# Altium PCB RS232_V2.PcbDoc (part 1 of 2)
Units mil, origin at the board's own origin, x right, y up, seen from the top; angles counter-clockwise.
Board outline 2125.02 x 1520 mil, 2 copper layers (Top Layer, Bottom Layer); 64 components, 62 nets, 232 pads, 68 vias.
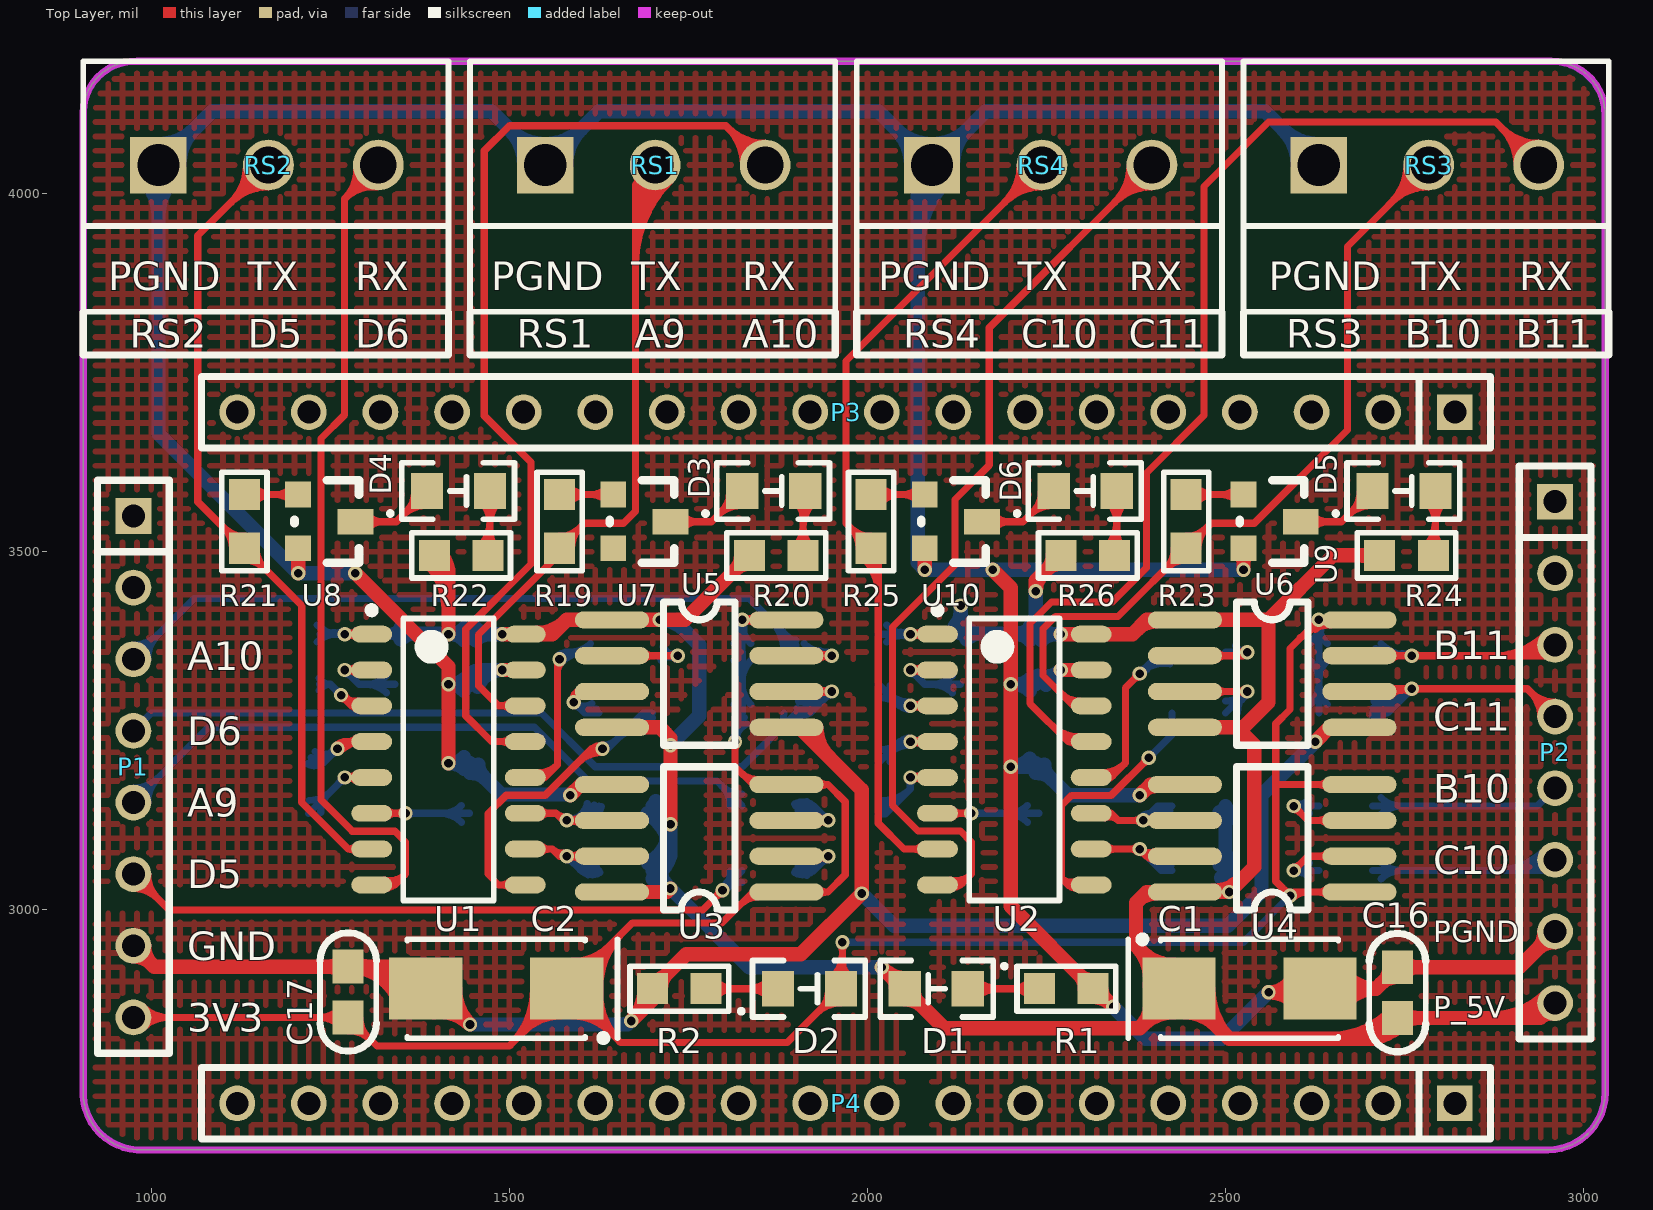
[diagram p0: Top Layer view]
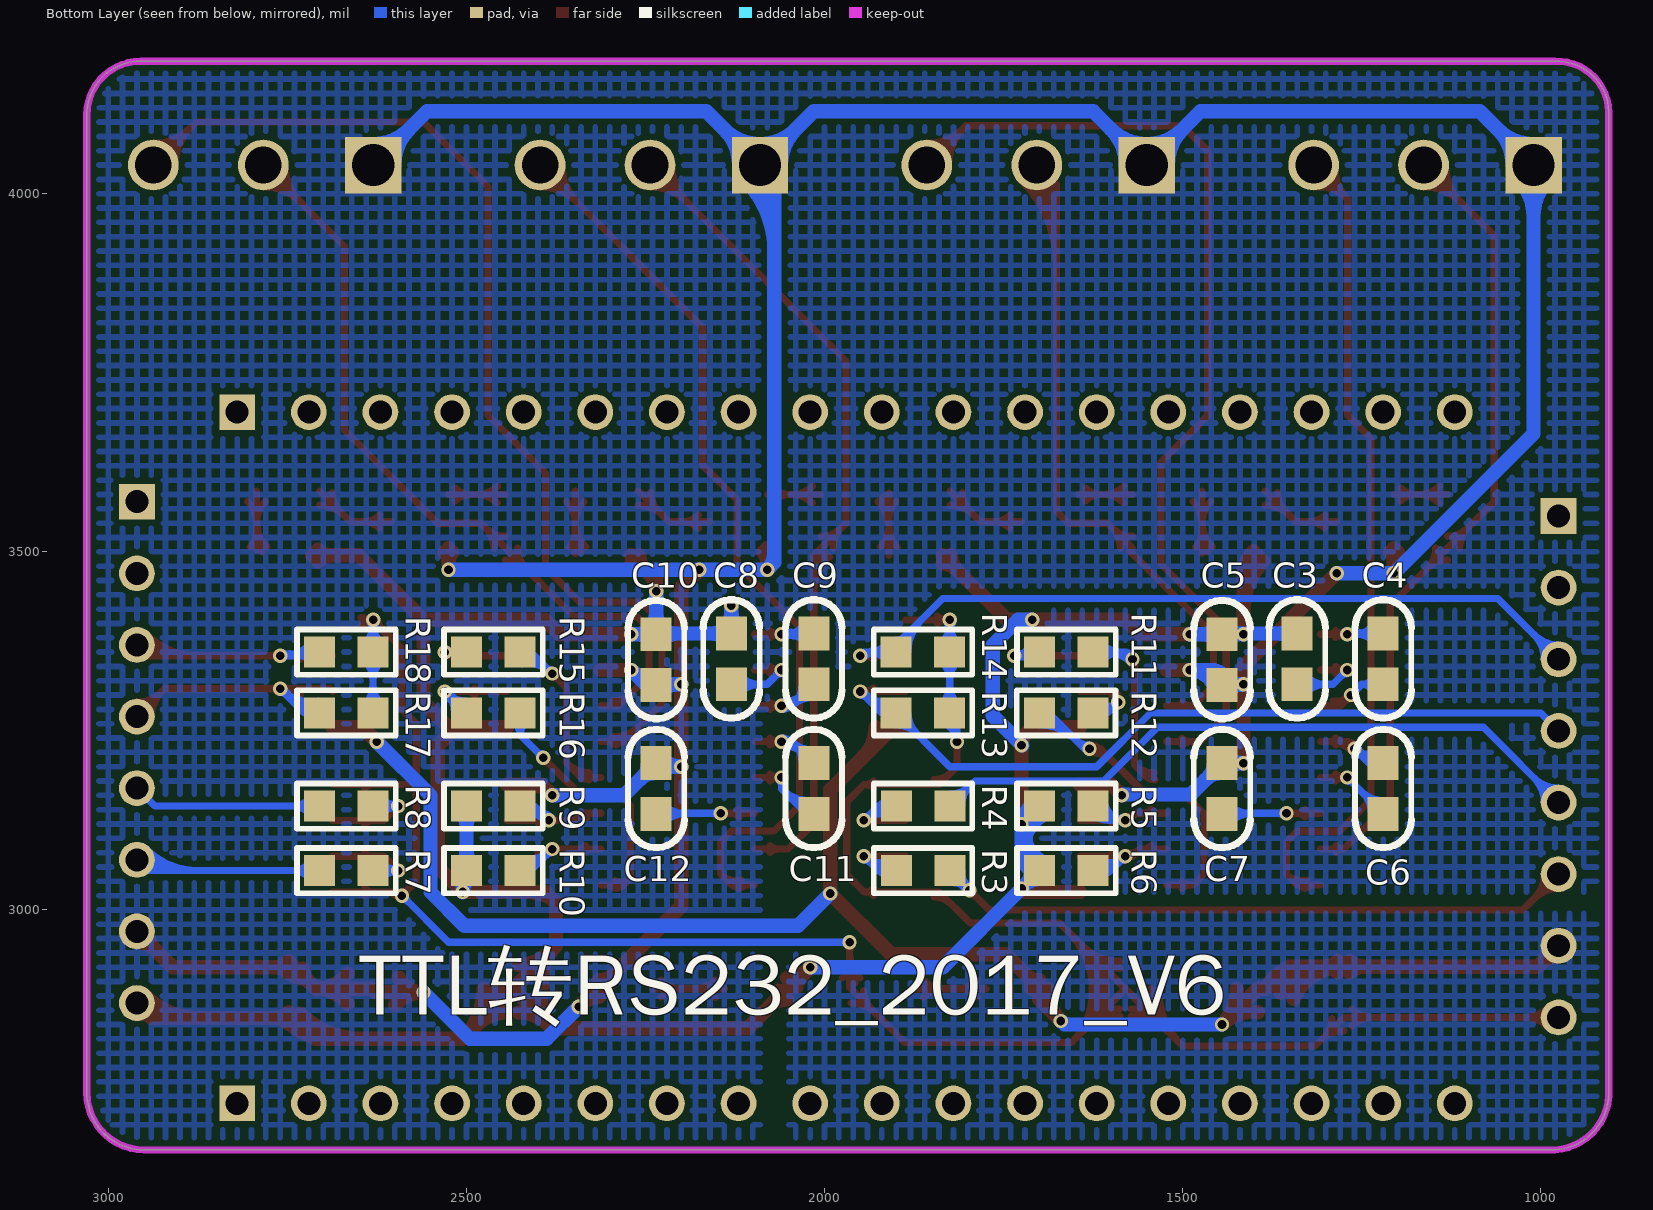
[diagram p1: Bottom Layer view, seen from below]

## Layer stack, top to bottom
Top Layer: signal copper 1.4
Dielectric: dielectric 12.6, FR-4, Dk 4.8
Bottom Layer: signal copper 1.4

## Board outline
980,2665 cw(c985,2745) 905,2750 905,4115 cw(c977.5,4112.5) 980,4185 2955,4185 cw(c2955,4110) 3030,4110 3030,2745 cw(c2950,2745) 2950,2665

## Design rules (kind name [scope] priority, off if disabled: settings)
Clearance [All] p1: gap=8
HoleSize [All] p1: absolutevalues=TRUE maxlimit=118.11 minlimit=1 maxpercent=80.000 minpercent=20.000
PolygonConnect [All] p1: connectstyle=Direct reliefconductorwidth=40 reliefentries=4 polygonreliefangle="45 Angle" airgapwidth=10
RoutingVias [All] p1: holewidth=10 width=50 viastyle="Through Hole" minholewidth=10 minwidth=50 maxholewidth=10 maxwidth=50
SolderMaskExpansion [All] p1: expansion=4
Width [All] p1: maxlimit=150 minlimit=8 preferedwidth=10
27 further rules are at their usual default settings.

## Classes and differential pairs
component class RS232_V2: C1 C2 C3 C4 C5 C6 C7 C8 C9 C10 C11 C12 C16 C17 D1 D2 D3 D4 D5 D6 P1 P2 P3 P4 R1 R2 R3 R4 R5 R6 R7 R8 R9 R12 R13 R14 R15 R16 R17 R18 R19 R21 R22 R23 R24 R25 R26 RS1 RS2 RS3 RS4 U1 U2 U4 U5 U6 U7 U8 U9 U10

## Components (designator, comment, footprint, x,y, rotation, side; value= is the part's Value field where it differs from the comment)
C1 "CAP-TAN" CAP-TAN-6032/CAPC 2435,2890 r180 top
C2 "CAP-TAN" CAP-TAN-6032/CAPC 1580,2890 r0 top
C3 "0.1μF" CAP-MLCC-0603 1340,3315 r90 bottom
C4 "0.1μF" CAP-MLCC-0603 1220,3315 r90 bottom
C5 "0.1μF" CAP-MLCC-0603 1445,3385 r270 bottom
C6 "0.1μF" CAP-MLCC-0603 1220,3134.13 r90 bottom
C7 "0.1μF" CAP-MLCC-0603 1445,3205 r270 bottom
C8 "0.1μF" CAP-MLCC-0603 2130,3315 r90 bottom
C9 "0.1μF" CAP-MLCC-0603 2015,3315 r90 bottom
C10 "0.1μF" CAP-MLCC-0603 2235,3385 r270 bottom
C11 "0.1μF" CAP-MLCC-0603 2015,3134.13 r90 bottom
C12 "0.1μF" CAP-MLCC-0603 2235,3205 r270 bottom
C16 "0.1μF" CAP-MLCC-0603 2740,2920 r270 top
C17 "0.1μF" CAP-MLCC-0603 1275,2850 r90 top
D1 "LED" LED-0805 2140,2890 r180 top
D2 "LED" LED-0805 1875,2890 r0 top
D3 "(Red)" LED-0805 1825,3585 r0 top
D4 "(Red)" LED-0805 1385,3585 r0 top
D5 "(Red)" LED-0805 2705,3585 r0 top
D6 "(Red)" LED-0805 2260,3585 r0 top
P1 "Header 8" SIP8 975,3550 r270 top
P2 "Header 8" SIP8 2960,3570 r270 top
P3 "Header 18" SIP18 1975,3695 r180 top
P4 "Header 18" SIP18 1975,2730 r180 top
R1 "RES" RES-0603 2315,2890 r180 top
R2 "RES" RES-0603 1700,2890 r0 top
R3 "200Ω" RES-0603 1825,3055 r0 bottom
R4 "200Ω" RES-0603 1825,3145 r0 bottom
R5 "4.7kΩ" RES-0603 1625,3145 r0 bottom
R6 "4.7kΩ" RES-0603 1625,3055 r0 bottom
R7 "200Ω" RES-0603 2705,3055 r180 bottom
R8 "200Ω" RES-0603 2705,3145 r180 bottom
R9 "4.7kΩ" RES-0603 2425,3145 r0 bottom
R10 "4.7kΩ" RES-0603 2425,3055 r0 bottom
R11 "330Ω" RES-0603 1625,3360 r0 bottom
R12 "330Ω" RES-0603 1700,3275 r180 bottom
R13 "4.7kΩ" RES-0603 1900,3275 r180 bottom
R14 "4.7kΩ" RES-0603 1900,3360 r180 bottom
R15 "330Ω" RES-0603 2425,3360 r0 bottom
R16 "330Ω" RES-0603 2425,3275 r0 bottom
R17 "4.7kΩ" RES-0603 2705,3275 r180 bottom
R18 "4.7kΩ" RES-0603 2705,3360 r180 bottom
R19 "10kΩ" RES-0603 1570,3505 r90 top
R20 "1kΩ" RES-0603 1910,3495 r180 top
R21 "10kΩ" RES-0603 1130,3505 r90 top
R22 "1kΩ" RES-0603 1470,3495 r180 top
R23 "10kΩ" RES-0603 2445,3505 r90 top
R24 "1kΩ" RES-0603 2790,3495 r180 top
R25 "10kΩ" RES-0603 2005,3505 r90 top
R26 "1kΩ" RES-0603 2345,3495 r180 top
RS1 "Header 3" GREEN_3P 1625,4135 r0 top
RS2 "Header 3" GREEN_3P 1085,4135 r0 top
RS3 "Header 3" GREEN_3P 2705,4135 r0 top
RS4 "Header 3" Green_3P 2165,4135 r0 top
U1 "MAX232" SOIC16 1415,3210 r0 top
U2 "MAX232" SOIC16 2205,3210 r0 top
U3 "HCPL2630/2631" SOP8 1875,3025 r180 top
U4 "HCPL2630/2631" SOP8 2675,3025 r180 top
U5 "HCPL2630/2631" SOP8 1655,3405 r0 top
U6 "HCPL2630/2631" SOP8 2455,3405 r0 top
U7 "NPN" SOT-23 1645,3580 r270 top
U8 "NPN" SOT-23 1205,3580 r270 top
U9 "NPN" SOT-23 2525,3580 r270 top
U10 "NPN" SOT-23 2080,3580 r270 top

## Footprints (in the part's own frame and the unit in brackets; to place one, negate y for a bottom-side part, rotate by r counter-clockwise, add the part's x,y. Pads: shape width x height; smd on the part's side, far side on the other; paste and mask are expansions set on the pad)
CAP-MLCC-0603 [mm]
  rect 1.2x1.1 smd: 1(0,0) 2(1.8,0)
  silkscreen extent -1.2,-1 3,1, body extent 0.02,-0.48 1.77,0.47, height 0.85
CAP-TAN-6032/CAPC [mm]
  rect 2.6x2.2 smd: 1(0,0) 2(-5,0)
  silkscreen extent -5.65,-1.87 1.8,1.75
GREEN_3P [mm]
  rect 2x2 hole 1.5: 1(-1.905,-2.413)
  round 1.8 hole 1.3: 2(1.995,-2.413) 3(5.895,-2.413)
  silkscreen extent -4.57,-7.62 8.38,1.27
Green_3P [mm]
  rect 2x2 hole 1.5: 1(-1.905,-2.413)
  round 1.8 hole 1.3: 2(1.995,-2.413) 3(5.895,-2.413)
  silkscreen extent -4.57,-7.62 8.38,1.27
LED-0805 [mil]
  rect 45x50 smd: 1(88,0) 2(0,0)
  silkscreen extent -52,-39 122,39
RES-0603 [mm]
  rect 1.1x1.1 smd: 1(0,0) 2(1.9,0)
  silkscreen extent -0.8,-0.8 2.7,0.8, body extent 0.1,-0.48 1.8,0.47, height 0.6
SIP8 [mil]
  rect 50x50 hole 32: 1(0,0)
  round 50 hole 32: 2(100,0) 3(200,0) 4(300,0) 5(400,0) 6(500,0) 7(600,0) 8(700,0)
  silkscreen extent -50,-50 750,50
SIP18 [mil]
  rect 50x50 hole 32: 1(-845,0)
  round 50 hole 32: 2(-745,0) 3(-645,0) 4(-545,0) 5(-445,0) 6(-345,0) 7(-245,0) 8(-145,0) 9(-45,0) 10(55,0) 11(155,0) 12(255,0) 13(355,0) 14(455,0) 15(555,0) 16(655,0) 17(755,0) 18(855,0)
  silkscreen extent -895,-50 905,50
SOIC16 [mm] "SOIC, 16-Leads, Body 9.90x3.90mm, Pitch 1.27mm, IPC Medium Density"
  oval 1.45x0.6 smd: 1(-2.725,4.445) 2(-2.725,3.175) 3(-2.725,1.905) 4(-2.725,0.635) 5(-2.725,-0.635) 6(-2.725,-1.905) 7(-2.725,-3.175) 8(-2.725,-4.445) 9(2.725,-4.445) 10(2.725,-3.175) 11(2.725,-1.905) 12(2.725,-0.635) 13(2.725,0.635) 14(2.725,1.905) 15(2.725,3.175) 16(2.725,4.445)
  silkscreen extent -2.85,-5 1.6,5.42, body extent -2,-5 2,5, height 1.75
SOP8 [mil]
  oval 103.62x24 smd: 1(-11.81,0) 2(-11.81,-50) 3(-11.81,-100) 4(-11.81,-150) 5(231.81,-150) 6(231.81,-100) 7(231.81,-50) 8(231.81,0)
  silkscreen extent 60,-175 160,25
SOT-23 [mil]
  rect 36x36 smd: 1(0,0) 2(75,0)
  rect 36x50 smd: 3(38,80)
  silkscreen extent -20,-5 95,85

## Part data
C1 C2: "钽电容"
C3 C4 C5 C6 C7 C8 C9 C10 C11 C12 C16 C17: library part CAP, "无极性电容"
D3 D4 D5 D6: library part LED, "LED"
P1 P2: "Header, 8-Pin"
P3 P4: "Header, 18-Pin"
R1 R2: "电阻"
R3 R4 R5 R6 R7 R8 R9 R10 R11 R12 R13 R14 R15 R16 R17 R18 R19 R20 R21 R22 R23 R24 R25 R26: library part RES, "电阻"
RS1 RS2 RS3 RS4: "Header, 3-Pin"
U1 U2: library part IC-MAX232
U7 U8 U9 U10: library part NPN三极管

## Via types
v1: diameter 20, hole 12, Top Layer to Bottom Layer, 68 vias

## Nets (pads, with @x,y where several pads share a name; then routed paths per layer and width w, separated by ;. In a path a pad name is that pad's centre, name@x,y a point inside that pad or via, vN(x,y) a via of type N, cw(c..) or ccw(c..) an arc to the next point about the centre after c; other vN are vias at no path point)
3V3: C2.1 C17.1 D2.1 P1.8 R13.2 R14.2 R17.2 R18.2 U3.1 U3.4 U4.1 U4.4 U5.8 U6.8 | length 5893.6
  Top Layer w10: P1.8@975,2850 C17.1@1275,2850 1315,2810 1500,2810 C2.1@1580,2890 ; P1.8@989.14,2835.86 cw(c1023.28,2801.72) 1023.28,2850 cw(c1023.28,2898.28) P1.8@989.14,2864.14 ; C17.1@1263.22,2838.22 ccw(c1234.79,2809.79) 1234.79,2850 ccw(c1234.79,2890.21) C17.1@1263.22,2861.78 ; C17.1@1275,2831.38 cw(c1275,2786.42) 1306.79,2818.21 ; C17.1@1291.65,2848.03 ccw(c1327.11,2848.03) 1302.04,2822.96 ; 1501.16,2811.16 ccw(c1422.33,2890) C2.1@1533.82,2890 ; 1518.23,2828.24 ccw(c1456.47,2890) C2.1@1543.82,2890 ; 1520.17,2830.17 cw(c1572.13,2778.22) C2.1@1572.13,2851.69 ; 1535.31,2845.31 ccw(c1490.61,2890) C2.1@1553.82,2890 ; C2.1@1537.24,2847.24 cw(c1572.13,2812.36) C2.1@1572.13,2861.69 ; C2.1@1587.87,2851.69 cw(c1587.87,2778.22) 1639.83,2830.17 ; C2.1@1587.87,2861.69 cw(c1587.87,2812.36) C2.1@1622.76,2847.24 ; C2.1@1587.87,2918.31 ccw(c1587.87,2967.64) C2.1@1622.76,2932.76 ; C2.1@1587.87,2928.31 ccw(c1587.87,3001.78) 1639.83,2949.83 ; C2.1@1606.17,2889.31 ccw(c1662.38,2887.17) C2.1@1622.6,2847.4 ; C2.1@1606.18,2890 cw(c1669.39,2890) 1624.69,2934.69 ; C2.1@1616.16,2888.93 ccw(c1693.59,2885.99) 1638.8,2831.2 ; C2.1@1616.18,2890 cw(c1703.53,2890) 1641.77,2951.76 ; C2.1@1626.15,2888.55 ccw(c1724.8,2884.81) 1655,2815 ; C2.1@1626.18,2890 cw(c1737.67,2890) 1658.84,2968.84 ; v1@1811.46,3231.46 cw(c1802.93,3222.93) 1815,3222.93 cw(c1827.07,3222.93) v1@1818.54,3231.46 ; v1(1815,3235) 1815,3200 1840,3175 U3.4@1886.81,3175 1945,3175 1969,3151 1969,3049 1945,3025 U3.1@1886.81,3025 1840,3025 1797,2982 1672,2982 C2.1@1580,2890 ; 1823.1,3008.1 cw(c1847,2984.2) U3.1@1847,3018 ; 1823.1,3191.9 ccw(c1847,3215.8) U3.4@1847,3182 ; v1(1825,3405) U5.8@1886.81,3405 ; v1@1828.41,3401.35 cw(c1834.16,3395.2) U5.8@1836.34,3403.33 ; v1@1828.41,3408.65 ccw(c1834.16,3414.8) U5.8@1836.34,3406.67 ; v1@1828.54,3401.46 cw(c1837.07,3392.93) 1837.07,3405 cw(c1837.07,3417.07) v1@1828.54,3408.54 ; U5.8@1842.05,3400.05 ccw(c1830.1,3388.1) 1830.1,3405 ccw(c1830.1,3421.9) U5.8@1842.05,3409.95 ; 1928.86,2855.86 cw(c1963,2821.72) D2.1@1963,2870 ; U3.1@1931.57,3020.05 cw(c1943.52,3008.1) 1943.52,3025 cw(c1943.52,3041.9) U3.1@1931.57,3029.95 ; U3.4@1931.57,3170.05 cw(c1943.52,3158.1) 1943.52,3175 cw(c1943.52,3191.9) U3.4@1931.57,3179.95 ; 1934.89,2861.89 ccw(c1909.29,2887.5) D2.1@1945.5,2887.5 ; D2.1@1950.63,2904.87 ccw(c1915.92,2939.58) 1965,2939.58 ; D2.1@1957.7,2897.8 ccw(c1940.07,2915.43) 1965,2915.43 ; v1@1961.46,2951.46 cw(c1952.93,2942.93) 1965,2942.93 cw(c1977.07,2942.93) v1@1968.54,2951.46 ; 1965,2929.92 ccw(c2000.42,2929.92) D2.1@1975.37,2904.87 ; v1(1965,2955) 1965,2892 D2.1@1963,2890 1888,2815 1655,2815 ; 2570,3175 U4.4@2686.81,3175 ; v1@2585,3020 ccw(c2572.93,3020) 2581.46,3028.54 ccw(c2590,3037.07) v1@2590,3025 ; v1@2593.54,3016.46 cw(c2614.14,2995.86) 2614.14,3025 ; 2604.06,3379.94 ccw(c2582.7,3418.68) v1@2625.2,3406.39 ; 2606.03,3381.03 cw(c2647,3340.06) U6.8@2647,3398 ; v1@2623.1,3398.1 cw(c2647,3374.2) U6.8@2647,3408 ; v1@2625,3405 cw(c2612.93,3405) 2621.46,3396.46 cw(c2630,3387.93) v1@2630,3400 ; 2625.2,3391.6 ccw(c2615.5,3409.2) v1@2634.8,3403.61 ; v1@2625.87,3402.18 ccw(c2635.97,3409.08) 2637.33,3396.92 ; v1(2630,3405) 2590,3365 2590,3280 2570,3260 2570,3040 v1(2590,3020) 2595,3025 U4.1@2686.81,3025 ; U4.1@2642.05,3020.05 ccw(c2630.1,3008.1) 2630.1,3025 ccw(c2630.1,3041.9) U4.1@2642.05,3029.95 ; U4.4@2642.05,3170.05 ccw(c2630.1,3158.1) 2630.1,3175 ccw(c2630.1,3191.9) U4.4@2642.05,3179.95 ; C2.1@1580,2890 1655,2815
  Bottom Layer w10: v1@1811.46,3238.54 ccw(c1802.93,3247.07) 1815,3247.07 ccw(c1827.07,3247.07) v1@1818.54,3238.54 ; v1@1812.5,3239.33 ccw(c1805.9,3250.76) 1818.65,3247.35 ; R13.2@1813.42,3286.78 ccw(c1784.99,3315.21) 1825.2,3315.21 ccw(c1865.4,3315.21) R13.2@1836.97,3286.78 ; R14.2@1813.42,3348.22 cw(c1784.99,3319.8) 1825.2,3319.8 cw(c1865.4,3319.8) R14.2@1836.97,3348.22 ; R14.2@1813.42,3371.78 ccw(c1785.47,3399.73) v1@1825,3399.73 ; v1@1815,3233.72 cw(c1843.5,3233.72) R13.2@1831.95,3259.78 ; v1(1815,3235) 1815,3270.2 R13.2@1825,3280.2 ; 1815,3249.1 cw(c1836.68,3249.1) R13.2@1827.89,3268.92 ; 1818.24,3245.8 ccw(c1828.81,3242.97) v1@1819.33,3237.5 ; v1@1820.67,3402.5 cw(c1806.18,3394.14) 1822.34,3389.81 ; v1@1821.46,3401.46 cw(c1812.93,3392.93) 1825,3392.93 cw(c1837.07,3392.93) v1@1828.54,3401.46 ; v1@1825,3400.68 ccw(c1865.88,3400.68) R14.2@1836.97,3371.78 ; v1(1825,3405) 1825,3360 1825.2,3359.8 R13.2@1825.2,3275 ; 1827.74,3390.44 cw(c1843.09,3394.56) v1@1829.33,3402.5 ; v1(1965,2955) 2525,2955 v1(2590,3020) ; v1@1968.54,2951.46 cw(c1977.07,2942.93) 1977.07,2955 cw(c1977.07,2967.07) v1@1968.54,2958.54 ; v1@2585,3020 cw(c2572.93,3020) 2581.46,3011.46 cw(c2590,3002.93) v1@2590,3015 ; R17.2@2618.42,3286.78 ccw(c2589.99,3315.21) 2630.2,3315.21 ccw(c2670.4,3315.21) R17.2@2641.97,3286.78 ; R18.2@2618.42,3348.22 cw(c2589.99,3319.79) 2630.2,3319.79 cw(c2670.4,3319.79) R18.2@2641.97,3348.22 ; R18.2@2618.42,3371.78 ccw(c2590.47,3399.73) v1@2630,3399.73 ; v1@2625.67,3402.5 cw(c2611.18,3394.14) 2627.34,3389.81 ; v1@2626.46,3401.46 cw(c2617.93,3392.93) 2630,3392.93 cw(c2642.07,3392.93) v1@2633.54,3401.46 ; R18.2@2630,3360.2 v1(2630,3405) ; v1@2630,3400.68 ccw(c2670.88,3400.68) R18.2@2641.97,3371.78 ; R17.2@2630.2,3275 R18.2@2630.2,3360 ; 2632.74,3390.44 cw(c2648.09,3394.56) v1@2634.33,3402.5
GND: C2.2 C17.2 P1.7 R2.1 U5.5 U6.5 | length 2963.9
  Top Layer w20: P1.7@975,2935 cw(c975,2898.79) 1000.61,2924.39 cw(c1026.21,2950) P1.7@990,2950 ; P1.7@975,2950 1004.13,2920.87 C17.2@1275,2920.87 ; C17.2@1266.76,2912.63 ccw(c1246.87,2892.73) 1246.87,2920.87 ccw(c1246.87,2949) C17.2@1266.76,2929.11 ; C17.2@1283.24,2912.63 cw(c1303.13,2892.73) 1303.13,2920.87 cw(c1303.13,2949) C17.2@1283.24,2929.11 ; 1306.25,2920.87 cw(c1306.25,2858.16) C2.2@1363.19,2884.43 ; C2.2@1337.5,2920.87 cw(c1337.5,2872.58) C2.2@1381.35,2892.8 ; C2.2@1345.03,2876.05 ccw(c1275,2843.75) C17.2@1275,2920.87 ; C2.2@1395.27,2856.96 cw(c1402.87,2797.87) v1(1445,2840) ; C2.2@1424.33,2889.97 ccw(c1494.89,2889.9) v1(1445,2840) ; R2.1@1688.35,2889.89 cw(c1625.71,2889.3) v1(1670,2845) 1700,2875 R2.1@1700,2890 1700,2891.03 1746.97,2938 1907,2938 v1(1992,3023) 1992,3167.6 1904.6,3255 U5.5@1886.81,3255 ; R2.1@1700,2901.65 ccw(c1700,2927.3) R2.1@1718.13,2909.16 ; R2.1@1711.65,2890 cw(c1742.28,2890) 1720.62,2911.65 ; U5.5@1908.62,3255 ccw(c1918.34,3255) U5.5@1911.47,3248.13 ; U5.5@1928.62,3255 ccw(c1986.62,3255) 1945.61,3213.99 ; v1(2625,3235) 2645,3255 U6.5@2686.81,3255 ; C17.2@1275,2920.87 1352.28,2920.87 C2.2@1383.15,2890 1395,2890 v1(1445,2840)
  Bottom Layer w20: v1(1445,2840) v1@1665,2840 ; 1657.93,2840 ccw(c1657.93,2857.07) v1(1670,2845) ; v1(1992,3023) 2037,2978 2503,2978 2550,3025 2550,3160 v1(2625,3235)
NetC3_1: C3.1 U1.2 | length 258.7
  Top Layer w10: v1(1270,3335) U1.2@1307.72,3335 ; v1@1273.49,3331.42 cw(c1278.82,3325.94) U1.2@1280.8,3333.32 ; v1@1273.49,3338.58 ccw(c1278.82,3344.06) U1.2@1280.8,3336.68 ; v1@1273.54,3331.46 cw(c1282.07,3322.93) 1282.07,3335 cw(c1282.07,3347.07) v1@1273.54,3338.54 ; U1.2@1286.17,3330.18 ccw(c1274.54,3318.56) 1274.54,3335 ccw(c1274.54,3351.44) U1.2@1286.17,3339.82
  Bottom Layer w10: v1@1270,3330 cw(c1270,3317.93) 1278.54,3326.46 cw(c1287.07,3335) v1@1275,3335 ; v1(1270,3335) 1290,3315 C3.1@1340,3315 ; C3.1@1328.22,3303.22 ccw(c1299.79,3274.79) 1299.79,3315 ccw(c1299.79,3355.21) C3.1@1328.22,3326.78
NetC4_1: C4.1 U1.3 | length 220.8
  Top Layer w10: v1@1265,3295 cw(c1265,3282.93) 1273.54,3291.46 cw(c1282.07,3300) v1@1270,3300 ; v1@1266.29,3295.17 cw(c1269.42,3283.51) 1275.45,3293.96 cw(c1281.49,3304.42) v1@1269.83,3301.29 ; 1279.06,3285.94 ccw(c1289.33,3296.21) U1.3@1291.45,3281.85 ; U1.3@1289.99,3291.74 cw(c1285.71,3320.7) v1(1265,3300) 1280,3285 U1.3@1307.72,3285
  Bottom Layer w10: C4.1@1234.13,3306.19 cw(c1250,3296.31) 1250,3315 ; C4.1@1234.13,3323.81 ccw(c1250,3333.69) 1250,3315 ; C4.1@1235,3315 1250,3315 ; v1@1260,3300 ccw(c1247.93,3300) 1256.46,3308.54 ccw(c1265,3317.07) v1@1265,3305 ; v1(1265,3300) 1250,3315
NetC4_2: C4.2 U1.1 | length 229.4
  Top Layer w10: v1(1270,3385) U1.1@1307.72,3385 ; v1@1273.49,3381.42 cw(c1278.82,3375.94) U1.1@1280.8,3383.32 ; v1@1273.49,3388.58 ccw(c1278.82,3394.06) U1.1@1280.8,3386.68 ; v1@1273.54,3381.46 cw(c1282.07,3372.93) 1282.07,3385 cw(c1282.07,3397.07) v1@1273.54,3388.54 ; U1.1@1286.17,3380.18 ccw(c1274.54,3368.56) 1274.54,3385 ccw(c1274.54,3401.44) U1.1@1286.17,3389.82
  Bottom Layer w10: C4.2@1231.78,3374.09 cw(c1258.11,3347.75) 1258.11,3385 ; C4.2@1231.78,3397.64 ccw(c1262.3,3428.16) v1@1262.3,3385 ; C4.2@1235.87,3385 v1(1270,3385) ; 1253.17,3387.44 ccw(c1258.06,3405.68) v1@1267.5,3389.33 ; v1@1266.46,3381.46 ccw(c1257.93,3372.93) 1257.93,3385 ccw(c1257.93,3397.07) v1@1266.46,3388.54
NetC6_1: C6.1 U1.5 | length 251.7
  Top Layer w10: v1(1270,3185) U1.5@1307.72,3185 ; v1@1273.49,3181.42 cw(c1278.82,3175.94) U1.5@1280.8,3183.32 ; v1@1273.49,3188.58 ccw(c1278.82,3194.06) U1.5@1280.8,3186.68 ; v1@1273.54,3181.46 cw(c1282.07,3172.93) 1282.07,3185 cw(c1282.07,3197.07) v1@1273.54,3188.54 ; U1.5@1286.17,3180.18 ccw(c1274.54,3168.56) 1274.54,3185 ccw(c1274.54,3201.44) U1.5@1286.17,3189.82
  Bottom Layer w10: C6.1@1219.57,3134.57 v1(1270,3185) ; C6.1@1220,3152.76 ccw(c1220,3195.62) 1250.31,3165.31 ; C6.1@1236.65,3136.1 cw(c1274.2,3136.1) 1247.65,3162.65 ; v1@1265,3185 cw(c1252.93,3185) 1261.46,3176.46 cw(c1270,3167.93) v1@1270,3180
NetC6_2: C6.2 U1.4 | length 344.5
  Top Layer w10: v1@1256.46,3228.54 cw(c1272.07,3212.93) 1272.07,3235 ; v1(1260,3225) 1270,3235 U1.4@1307.72,3235 ; v1@1260,3230 ccw(c1260,3242.07) 1268.54,3233.54 ccw(c1277.07,3225) v1@1265,3225 ; v1@1263.54,3221.46 cw(c1296.21,3188.79) U1.4@1296.21,3235 ; U1.4@1286.17,3230.18 ccw(c1274.54,3218.56) 1274.54,3235 ccw(c1274.54,3251.44) U1.4@1286.17,3239.82
  Bottom Layer w10: C6.2@1218.27,3204.11 ccw(c1228.29,3220.65) 1241.97,3206.97 ; C6.2@1220,3205 1240,3205 v1(1260,3225) cw(c1241.9,3243.1) C6.2@1228.63,3221.21 ; C6.2@1223.45,3212.66 ccw(c1235.1,3231.87) 1250.98,3215.98 ; 1244.3,3212.12 ccw(c1232.63,3232.33) 1255.17,3226.29 cw(c1243.51,3229.42) 1249.55,3218.96 cw(c1255.58,3208.51) v1@1258.71,3220.17 ; v1@1255,3225 cw(c1242.93,3225) 1251.46,3216.46 cw(c1260,3207.93) v1@1260,3220
NetC7_2: C7.2 U1.6 | length 263.3
  Top Layer w10: U1.6@1307.72,3135 v1(1355,3135) ; U1.6@1329.26,3130.18 cw(c1340.89,3118.56) 1340.89,3135 cw(c1340.89,3151.44) U1.6@1329.26,3139.82 ; v1@1351.46,3131.46 ccw(c1342.93,3122.93) 1342.93,3135 ccw(c1342.93,3147.07) v1@1351.46,3138.54
  Bottom Layer w10: v1(1355,3135) C7.2@1444.13,3135 ; v1@1358.54,3131.46 cw(c1367.07,3122.93) 1367.07,3135 cw(c1367.07,3147.07) v1@1358.54,3138.54 ; 1402.7,3135 cw(c1402.7,3091.84) C7.2@1433.22,3122.36 ; 1406.89,3135 ccw(c1406.89,3172.25) C7.2@1433.22,3145.91
NetC8_1: C8.1 U2.2 | length 258.7
  Top Layer w10: v1(2060,3335) U2.2@2097.72,3335 ; v1@2063.49,3331.42 cw(c2068.82,3325.94) U2.2@2070.8,3333.32 ; v1@2063.49,3338.58 ccw(c2068.82,3344.06) U2.2@2070.8,3336.68 ; v1@2063.54,3331.46 cw(c2072.07,3322.93) 2072.07,3335 cw(c2072.07,3347.07) v1@2063.54,3338.54 ; U2.2@2076.17,3330.18 ccw(c2064.54,3318.56) 2064.54,3335 ccw(c2064.54,3351.44) U2.2@2076.17,3339.82
  Bottom Layer w10: v1@2060,3330 cw(c2060,3317.93) 2068.54,3326.46 cw(c2077.07,3335) v1@2065,3335 ; v1(2060,3335) 2080,3315 C8.1@2130,3315 ; C8.1@2118.22,3303.22 ccw(c2089.79,3274.79) 2089.79,3315 ccw(c2089.79,3355.21) C8.1@2118.22,3326.78
NetC9_1: C9.1 U2.3 | length 257.8
  Top Layer w10: v1(2060,3285) U2.3@2097.72,3285 ; v1@2063.49,3281.42 cw(c2068.82,3275.94) U2.3@2070.8,3283.32 ; v1@2063.49,3288.58 ccw(c2068.82,3294.06) U2.3@2070.8,3286.68 ; v1@2063.54,3281.46 cw(c2072.07,3272.93) 2072.07,3285 cw(c2072.07,3297.07) v1@2063.54,3288.54 ; U2.3@2076.17,3280.18 ccw(c2064.54,3268.56) 2064.54,3285 ccw(c2064.54,3301.44) U2.3@2076.17,3289.82
  Bottom Layer w10: C9.1@2015,3315 2045,3285 ccw(c2017.41,3257.41) C9.1@2015.72,3296.39 ; C9.1@2025.86,3304.14 ccw(c2060,3338.28) v1@2060,3290 ; C9.1@2031.65,3313.03 ccw(c2067.11,3313.03) 2042.04,3287.96 ; 2042.93,3287.07 ccw(c2060,3304.14) v1@2060,3280
NetC9_2: C9.2 U2.1 | length 258.6
  Top Layer w10: v1(2060,3385) U2.1@2097.72,3385 ; v1@2063.49,3381.42 cw(c2068.82,3375.94) U2.1@2070.8,3383.32 ; v1@2063.49,3388.58 ccw(c2068.82,3394.06) U2.1@2070.8,3386.68 ; v1@2063.54,3381.46 cw(c2072.07,3372.93) 2072.07,3385 cw(c2072.07,3397.07) v1@2063.54,3388.54 ; U2.1@2076.17,3380.18 ccw(c2064.54,3368.56) 2064.54,3385 ccw(c2064.54,3401.44) U2.1@2076.17,3389.82
  Bottom Layer w10: C9.2@2015,3385 v1(2060,3385) ; C9.2@2026.78,3374.09 cw(c2053.11,3347.75) v1@2053.11,3385 ; C9.2@2026.78,3397.64 ccw(c2057.3,3428.16) v1@2057.3,3385 ; 2043.72,3382.48 cw(c2048.42,3364.95) v1@2057.5,3380.67 ; 2046.53,3387.89 ccw(c2050.27,3401.85) v1@2057.5,3389.33 ; 2049.79,3387.01 cw(c2047.29,3377.66) v1@2055.67,3382.5 ; v1@2056.46,3381.46 ccw(c2047.93,3372.93) 2047.93,3385 ccw(c2047.93,3397.07) v1@2056.46,3388.54
NetC11_1: C11.1 U2.5 | length 272
  Top Layer w10: v1(2060,3185) U2.5@2097.72,3185 ; v1@2063.49,3181.42 cw(c2068.82,3175.94) U2.5@2070.8,3183.32 ; v1@2063.49,3188.58 ccw(c2068.82,3194.06) U2.5@2070.8,3186.68 ; v1@2063.54,3181.46 cw(c2072.07,3172.93) 2072.07,3185 cw(c2072.07,3197.07) v1@2063.54,3188.54 ; U2.5@2076.17,3180.18 ccw(c2064.54,3168.56) 2064.54,3185 ccw(c2064.54,3201.44) U2.5@2076.17,3189.82
  Bottom Layer w10: C11.1@2015,3134.13 2025,3134.13 2059.65,3168.79 ; C11.1@2015.5,3142.74 ccw(c2018.28,3179.36) 2044.26,3153.39 ; C11.1@2016.26,3152.71 ccw(c2020.45,3207.98) 2059.65,3168.79 ; v1@2056.46,3181.46 cw(c2048.77,3173.77) 2059.65,3173.77 ; 2059.65,3172.09 cw(c2072.91,3172.09) v1@2063.54,3181.46 ; v1(2060,3185) 2059.65,3184.65 2059.65,3168.79
NetC11_2: C11.2 U2.4 | length 291.8
  Top Layer w10: v1(2060,3235) U2.4@2097.72,3235 ; v1@2063.49,3231.42 cw(c2068.82,3225.94) U2.4@2070.8,3233.32 ; v1@2063.49,3238.58 ccw(c2068.82,3244.06) U2.4@2070.8,3236.68 ; v1@2063.54,3231.46 cw(c2072.07,3222.93) 2072.07,3235 cw(c2072.07,3247.07) v1@2063.54,3238.54 ; U2.4@2076.17,3230.18 ccw(c2064.54,3218.56) 2064.54,3235 ccw(c2064.54,3251.44) U2.4@2076.17,3239.82
  Bottom Layer w10: C11.2@2015,3205 2045,3235 ; C11.2@2015.72,3223.61 ccw(c2017.41,3262.59) 2045,3235 ; C11.2@2025.86,3215.86 cw(c2060,3181.72) v1@2060,3230 ; C11.2@2031.65,3206.97 cw(c2067.11,3206.97) 2042.04,3232.04 ; 2042.93,3232.93 cw(c2060,3215.86) v1@2060,3240 ; v1@2056.46,3231.46 ccw(c2047.93,3222.93) 2047.93,3235 ccw(c2047.93,3247.07) v1@2056.46,3238.54 ; v1(2060,3235) 2045,3235
NetC12_2: C12.2 U2.6 | length 268.3
  Top Layer w10: U2.6@2097.72,3135 v1(2145,3135) ; U2.6@2119.26,3130.18 cw(c2130.89,3118.56) 2130.89,3135 cw(c2130.89,3151.44) U2.6@2119.26,3139.82 ; v1@2141.46,3131.46 ccw(c2132.93,3122.93) 2132.93,3135 ccw(c2132.93,3147.07) v1@2141.46,3138.54
  Bottom Layer w10: v1(2145,3135) C12.2@2239.13,3135 ; v1@2148.54,3131.46 cw(c2157.07,3122.93) 2157.07,3135 cw(c2157.07,3147.07) v1@2148.54,3138.54 ; 2192.7,3135 cw(c2192.7,3091.84) C12.2@2223.22,3122.36 ; 2196.89,3135 ccw(c2196.89,3172.25) C12.2@2223.22,3145.91
NetD1_2: D1.2 R1.2 | length 229.7
  Top Layer w10: D1.2@2140,2890 R1.2@2240.2,2890 ; D1.2@2152.37,2877.63 cw(c2182.25,2847.75) 2182.25,2890 cw(c2182.25,2932.25) D1.2@2152.37,2902.37 ; R1.2@2228.42,2878.22 ccw(c2199.99,2849.79) 2199.99,2890 ccw(c2199.99,2930.2) R1.2@2228.42,2901.78
NetD2_2: D2.2 R2.2 | length 229.7
  Top Layer w10: R2.2@1774.8,2890 D2.2@1875,2890 ; R2.2@1786.58,2878.22 cw(c1815.01,2849.79) 1815.01,2890 cw(c1815.01,2930.21) R2.2@1786.58,2901.78 ; D2.2@1862.63,2877.63 ccw(c1832.75,2847.75) 1832.75,2890 ccw(c1832.75,2932.25) D2.2@1862.63,2902.37
NetD3_1: D3.1 R20.1 | length 238.8
  Top Layer w10: R20.1@1898.22,3506.78 ccw(c1869.79,3535.21) 1910,3535.21 ccw(c1950.21,3535.21) R20.1@1921.78,3506.78 ; D3.1@1900.63,3570.13 cw(c1877.99,3547.49) 1910,3547.49 ; R20.1@1910,3495 D3.1@1910,3582 ; 1910,3533.01 cw(c1962.49,3533.01) D3.1@1925.37,3570.13 ; 1910,3557.15 cw(c1938.35,3557.15) D3.1@1918.3,3577.2
NetD3_2: D3.2 U7.3 | length 233.5
  Top Layer w10: U7.3@1725,3542 1782,3542 D3.2@1825,3585 ; U7.3@1741.19,3532.81 cw(c1763.38,3510.62) 1763.38,3542 cw(c1763.38,3573.38) U7.3@1741.19,3551.19 ; 1790.86,3550.86 cw(c1825,3516.72) D3.2@1825,3565 ; 1796.89,3556.89 ccw(c1771.29,3582.5) D3.2@1807.5,3582.5
NetD4_1: D4.1 R22.1 | length 237.2
  Top Layer w10: R22.1@1458.22,3506.78 ccw(c1422.55,3542.45) 1473,3542.45 ; D4.1@1460.63,3570.13 cw(c1430.75,3540.25) 1473,3540.25 cw(c1515.25,3540.25) D4.1@1485.37,3570.13 ; R22.1@1465.3,3499.7 ccw(c1446.69,3518.31) 1473,3518.31 ; R22.1@1473,3498 D4.1@1473,3585 ; 1473,3527.96 ccw(c1502.96,3527.96) R22.1@1481.78,3506.78
NetD4_2: D4.2 U8.3 | length 233.5
  Top Layer w10: U8.3@1285,3542 1342,3542 D4.2@1385,3585 ; U8.3@1301.19,3532.81 cw(c1323.38,3510.62) 1323.38,3542 cw(c1323.38,3573.38) U8.3@1301.19,3551.19 ; 1350.86,3550.86 cw(c1385,3516.72) D4.2@1385,3565 ; 1356.89,3556.89 ccw(c1331.29,3582.5) D4.2@1367.5,3582.5
NetD5_1: D5.1 R24.1 | length 232.2
  Top Layer w10: R24.1@2778.22,3506.78 ccw(c2742.55,3542.45) 2793,3542.45 ; D5.1@2780.63,3570.13 cw(c2750.75,3540.25) 2793,3540.25 cw(c2835.25,3540.25) D5.1@2805.37,3570.13 ; R24.1@2785.3,3499.7 ccw(c2766.69,3518.31) 2793,3518.31 ; R24.1@2793,3503 D5.1@2793,3585 ; 2793,3527.96 ccw(c2822.96,3527.96) R24.1@2801.78,3506.78
NetD5_2: D5.2 U9.3 | length 233.5
  Top Layer w10: U9.3@2605,3542 2662,3542 D5.2@2705,3585 ; U9.3@2621.19,3532.81 cw(c2643.38,3510.62) 2643.38,3542 cw(c2643.38,3573.38) U9.3@2621.19,3551.19 ; 2670.86,3550.86 cw(c2705,3516.72) D5.2@2705,3565 ; 2676.89,3556.89 ccw(c2651.29,3582.5) D5.2@2687.5,3582.5
NetD6_1: D6.1 R26.1 | length 237.2
  Top Layer w10: R26.1@2333.22,3506.78 ccw(c2297.55,3542.45) 2348,3542.45 ; D6.1@2335.63,3570.13 cw(c2305.75,3540.25) 2348,3540.25 cw(c2390.25,3540.25) D6.1@2360.37,3570.13 ; R26.1@2340.3,3499.7 ccw(c2321.69,3518.31) 2348,3518.31 ; R26.1@2348,3498 D6.1@2348,3585 ; 2348,3527.96 ccw(c2377.96,3527.96) R26.1@2356.78,3506.78
NetD6_2: D6.2 U10.3 | length 233.5
  Top Layer w10: U10.3@2160,3542 2217,3542 D6.2@2260,3585 ; U10.3@2176.19,3532.81 cw(c2198.38,3510.62) 2198.38,3542 cw(c2198.38,3573.38) U10.3@2176.19,3551.19 ; 2225.86,3550.86 cw(c2260,3516.72) D6.2@2260,3565 ; 2231.89,3556.89 ccw(c2206.29,3582.5) D6.2@2242.5,3582.5
NetR3_2: R3.2 U3.2 | length 344.7
  Top Layer w10: U3.2@1886.81,3075 v1(1945,3075) ; U3.2@1931.57,3070.05 cw(c1943.52,3058.1) 1943.52,3075 cw(c1943.52,3091.9) U3.2@1931.57,3079.95 ; v1@1941.46,3071.46 ccw(c1932.93,3062.93) 1932.93,3075 ccw(c1932.93,3087.07) v1@1941.46,3078.54
  Bottom Layer w10: R3.2@1898.2,3052.06 ccw(c1909.45,3072.72) 1926.09,3056.09 ; R3.2@1899.8,3055 1925,3055 ; R3.2@1902.99,3060.84 ccw(c1916.12,3084.96) 1935.54,3065.54 ; R3.2@1907.77,3069.63 ccw(c1922.79,3097.21) v1(1945,3075) 1925,3055 ; R3.2@1915.12,3048.47 cw(c1925,3044.27) 1925,3055 ; R3.2@1915.12,3061.53 ccw(c1925,3065.73) 1925,3055 ; 1929.04,3061.79 ccw(c1917.09,3082.48) 1940.17,3076.29 cw(c1928.51,3079.42) 1934.55,3068.96 cw(c1940.58,3058.51) v1@1943.71,3070.17 ; v1@1940,3075 cw(c1927.93,3075) 1936.46,3066.46 cw(c1945,3057.93) v1@1945,3070
NetR4_2: R4.2 U3.3 | length 344.7
  Top Layer w10: U3.3@1886.81,3125 v1(1945,3125) ; U3.3@1931.57,3120.05 cw(c1943.52,3108.1) 1943.52,3125 cw(c1943.52,3141.9) U3.3@1931.57,3129.95 ; v1@1941.46,3121.46 ccw(c1932.93,3112.93) 1932.93,3125 ccw(c1932.93,3137.07) v1@1941.46,3128.54
  Bottom Layer w10: R4.2@1898.2,3147.94 cw(c1909.45,3127.28) 1926.09,3143.91 ; R4.2@1899.8,3145 1925,3145 ; R4.2@1902.99,3139.16 cw(c1916.12,3115.04) 1935.54,3134.46 ; R4.2@1907.77,3130.37 cw(c1922.79,3102.79) v1(1945,3125) 1925,3145 ; R4.2@1915.12,3138.47 cw(c1925,3134.27) 1925,3145 ; R4.2@1915.12,3151.53 ccw(c1925,3155.73) 1925,3145 ; 1929.04,3138.21 cw(c1917.09,3117.52) 1940.17,3123.71 ccw(c1928.51,3120.58) 1934.55,3131.04 ccw(c1940.58,3141.49) v1@1943.71,3129.83 ; v1@1940,3125 ccw(c1927.93,3125) 1936.46,3133.54 ccw(c1945,3142.07) v1@1945,3130
NetR5_1: R5.1 U1.11 U3.6 | length 431.9
  Top Layer w10: U1.11@1522.28,3135 1565,3135 ; U1.11@1543.83,3130.18 cw(c1555.46,3118.56) 1555.46,3135 cw(c1555.46,3151.44) U1.11@1543.83,3139.82 ; v1@1579.43,3129.97 cw(c1577.43,3147.42) 1565,3135 ; v1@1583.4,3121.33 cw(c1589.71,3114.5) U3.6@1592.12,3123.49 ; v1@1583.4,3128.67 ccw(c1589.71,3135.5) U3.6@1592.12,3126.51 ; v1@1583.54,3121.46 cw(c1592.07,3112.93) 1592.07,3125 cw(c1592.07,3137.07) v1@1583.54,3128.54 ; U3.6@1598.43,3120.05 ccw(c1586.48,3108.1) 1586.48,3125 ccw(c1586.48,3141.9) U3.6@1598.43,3129.95 ; U3.6@1643.19,3125 1575,3125 1565,3135
  Bottom Layer w10: v1@1582.5,3129.33 ccw(c1588.54,3139.79) 1591.66,3128.12 ccw(c1594.78,3116.47) v1@1584.33,3122.5 ; v1@1583.54,3121.46 cw(c1592.07,3112.93) 1592.07,3125 cw(c1592.07,3137.07) v1@1583.54,3128.54 ; 1592.28,3125 ccw(c1592.28,3151.76) R5.1@1618.48,3146.35 ; R5.1@1604.55,3125 ccw(c1604.55,3149.22) R5.1@1628.28,3144.32 ; R5.1@1608.69,3148.37 cw(c1580,3154.3) v1(1580,3125) 1605,3125 R5.1@1625,3145
NetR6_1: R6.1 U1.10 U3.7 | length 475.2
  Top Layer w10: U1.10@1522.28,3085 1560,3085 ; U1.10@1543.83,3080.18 cw(c1555.46,3068.56) 1555.46,3085 cw(c1555.46,3101.44) U1.10@1543.83,3089.82 ; v1@1578.77,3079.85 cw(c1573.91,3098.91) 1560,3085 ; v1@1583.4,3071.33 cw(c1589.71,3064.5) U3.7@1592.12,3073.49 ; v1@1583.4,3078.67 ccw(c1589.71,3085.5) U3.7@1592.12,3076.51 ; v1@1583.54,3071.46 cw(c1592.07,3062.93) 1592.07,3075 cw(c1592.07,3087.07) v1@1583.54,3078.54 ; U3.7@1598.43,3070.05 ccw(c1586.48,3058.1) 1586.48,3075 ccw(c1586.48,3091.9) U3.7@1598.43,3079.95 ; U3.7@1643.19,3075 v1(1580,3075) 1570,3075 1560,3085
  Bottom Layer w10: v1@1580,3070 cw(c1580,3057.93) 1588.54,3066.46 cw(c1597.07,3075) v1@1585,3075 ; v1@1581.29,3070.17 cw(c1584.42,3058.51) 1590.45,3068.96 cw(c1596.49,3079.42) 1584.83,3076.29 ccw(c1607.92,3082.48) 1595.97,3061.78 ; 1589.47,3065.53 ccw(c1608.78,3084.85) R6.1@1621.82,3060.85 ; 1598.93,3056.07 ccw(c1615.45,3072.58) R6.1@1626.6,3052.06 ; R6.1@1609.63,3048.58 ccw(c1600,3044.56) 1600,3055 ; R6.1@1609.63,3061.42 cw(c1600,3065.44) 1600,3055 ; R6.1@1617.05,3069.63 cw(c1602.12,3097.12) v1(1580,3075) 1600,3055 ; R6.1@1625,3055 1600,3055
NetR7_2: R7.2 U4.2 | length 288.7
  Top Layer w10: v1(2595,3055) 2615,3075 U4.2@2686.81,3075 ; v1@2595,3060 ccw(c2595,3072.07) 2603.54,3063.54 ccw(c2612.07,3055) v1@2600,3055 ; U4.2@2642.05,3070.05 ccw(c2630.1,3058.1) 2630.1,3075 ccw(c2630.1,3091.9) U4.2@2642.05,3079.95
  Bottom Layer w10: v1@2597.5,3050.67 cw(c2603.54,3040.21) 2606.66,3051.88 cw(c2609.78,3063.53) v1@2599.33,3057.5 ; v1@2597.5,3059.33 ccw(c2603.54,3069.79) 2606.66,3058.12 ccw(c2609.78,3046.47) v1@2599.33,3052.5 ; v1@2598.54,3051.46 cw(c2607.07,3042.93) 2607.07,3055 cw(c2607.07,3067.07) v1@2598.54,3058.54 ; R7.2@2617.32,3044.44 ccw(c2595,3026.14) v1(2595,3055) ; R7.2@2617.32,3065.56 cw(c2595,3083.86) v1(2595,3055) ; R7.2@2630.2,3055 v1(2595,3055)
NetR8_2: R8.2 U4.3 | length 288.7
  Top Layer w10: v1@2595,3140 cw(c2595,3127.93) 2603.54,3136.46 cw(c2612.07,3145) v1@2600,3145 ; v1(2595,3145) 2615,3125 U4.3@2686.81,3125 ; U4.3@2642.05,3120.05 ccw(c2630.1,3108.1) 2630.1,3125 ccw(c2630.1,3141.9) U4.3@2642.05,3129.95
  Bottom Layer w10: v1@2597.5,3140.67 cw(c2603.54,3130.21) 2606.66,3141.88 cw(c2609.78,3153.53) v1@2599.33,3147.5 ; v1@2597.5,3149.33 ccw(c2603.54,3159.79) 2606.66,3148.12 ccw(c2609.78,3136.47) v1@2599.33,3142.5 ; v1@2598.54,3141.46 cw(c2607.07,3132.93) 2607.07,3145 cw(c2607.07,3157.07) v1@2598.54,3148.54 ; R8.2@2617.32,3134.44 ccw(c2595,3116.14) v1(2595,3145) ; R8.2@2617.32,3155.56 cw(c2595,3173.86) v1(2595,3145) ; R8.2@2630.2,3145 v1(2595,3145)
NetR9_1: R9.1 U2.11 U4.6 | length 415.2
  Top Layer w10: U2.11@2312.28,3135 2340,3135 2350,3125 ; U2.11@2331.6,3128.7 cw(c2338.02,3113.02) 2350,3125 ; v1@2381.46,3121.46 ccw(c2372.93,3112.93) 2372.93,3125 ccw(c2372.93,3137.07) v1@2381.46,3128.54 ; v1@2388.54,3121.46 cw(c2397.07,3112.93) 2397.07,3125 cw(c2397.07,3137.07) v1@2388.54,3128.54 ; U4.6@2398.43,3120.05 ccw(c2386.48,3108.1) 2386.48,3125 ccw(c2386.48,3141.9) U4.6@2398.43,3129.95 ; U4.6@2443.19,3125 v1(2385,3125) 2350,3125
  Bottom Layer w10: v1@2380.98,3127.97 cw(c2394.32,3118.12) 2391.85,3134.52 ; v1@2385,3130 ccw(c2385,3142.07) 2393.54,3133.54 ccw(c2402.07,3125) v1@2390,3125 ; v1@2386.29,3129.83 ccw(c2389.42,3141.49) 2395.45,3131.04 ccw(c2401.49,3120.58) v1@2389.83,3123.71 ; v1@2389.02,3122.03 cw(c2421.8,3097.85) R9.1@2415.72,3138.12 ; 2394.74,3134.74 cw(c2411.34,3118.14) R9.1@2421.98,3139.07 ; R9.1@2417.45,3130.16 ccw(c2404.78,3105.23) v1(2385,3125) 2405,3145 R9.1@2425,3145
NetR10_1: R10.1 U2.10 U4.7 | length 357.7
  Top Layer w10: U2.10@2312.28,3085 v1(2380,3085) ; U2.10@2333.83,3080.18 cw(c2345.46,3068.56) 2345.46,3085 cw(c2345.46,3101.44) U2.10@2333.83,3089.82 ; v1@2376.46,3081.46 ccw(c2367.93,3072.93) 2367.93,3085 ccw(c2367.93,3097.07) v1@2376.46,3088.54 ; v1@2380,3080 cw(c2380,3067.93) 2388.54,3076.46 cw(c2397.07,3085) v1@2385,3085 ; 2390,3075 v1(2380,3085) ; 2390.14,3074.86 ccw(c2399.24,3083.96) U4.7@2404.64,3072.28 ; U4.7@2400.44,3081.36 cw(c2392.83,3097.83) v1(2380,3085)
  Bottom Layer w10: v1@2380,3080 cw(c2380,3067.93) 2388.54,3076.46 cw(c2397.07,3085) v1@2385,3085 ; v1@2381.29,3080.17 cw(c2384.42,3068.51) 2390.45,3078.96 cw(c2396.49,3089.42) v1@2384.83,3086.29 ; 2393.76,3071.24 ccw(c2418.25,3095.73) R10.1@2423.91,3061.56 ; R10.1@2422.28,3071.43 cw(c2414.34,3119.34) v1(2380,3085) 2410,3055 R10.1@2425,3055
NetR11_1: R11.1 U1.12 | length 410.9
  Top Layer w10: U1.12@1538.86,3181.82 ccw(c1539.66,3197.92) 1551.06,3186.52 ; U1.12@1539.35,3191.8 ccw(c1541.17,3228.28) 1567,3202.45 ; U1.12@1549.54,3185 1567,3202.46 ; 1567,3330.69 cw(c1589.31,3330.69) v1@1573.54,3346.46 ; v1(1570,3350) 1567,3347 1567,3202.46
  Bottom Layer w10: v1@1566.46,3353.54 cw(c1582.07,3337.93) 1582.07,3360 ; v1(1570,3350) 1580,3360 R11.1@1625,3360 ; v1@1573.54,3346.46 cw(c1606.21,3313.79) R11.1@1606.21,3360 ; R11.1@1613.22,3348.22 ccw(c1584.79,3319.79) 1584.79,3360 ccw(c1584.79,3400.21) R11.1@1613.22,3371.78